# Altium PCB Spektrop2_Processor_Board_V1_draft_v4.PcbDoc (part 2 of 4) (continued)
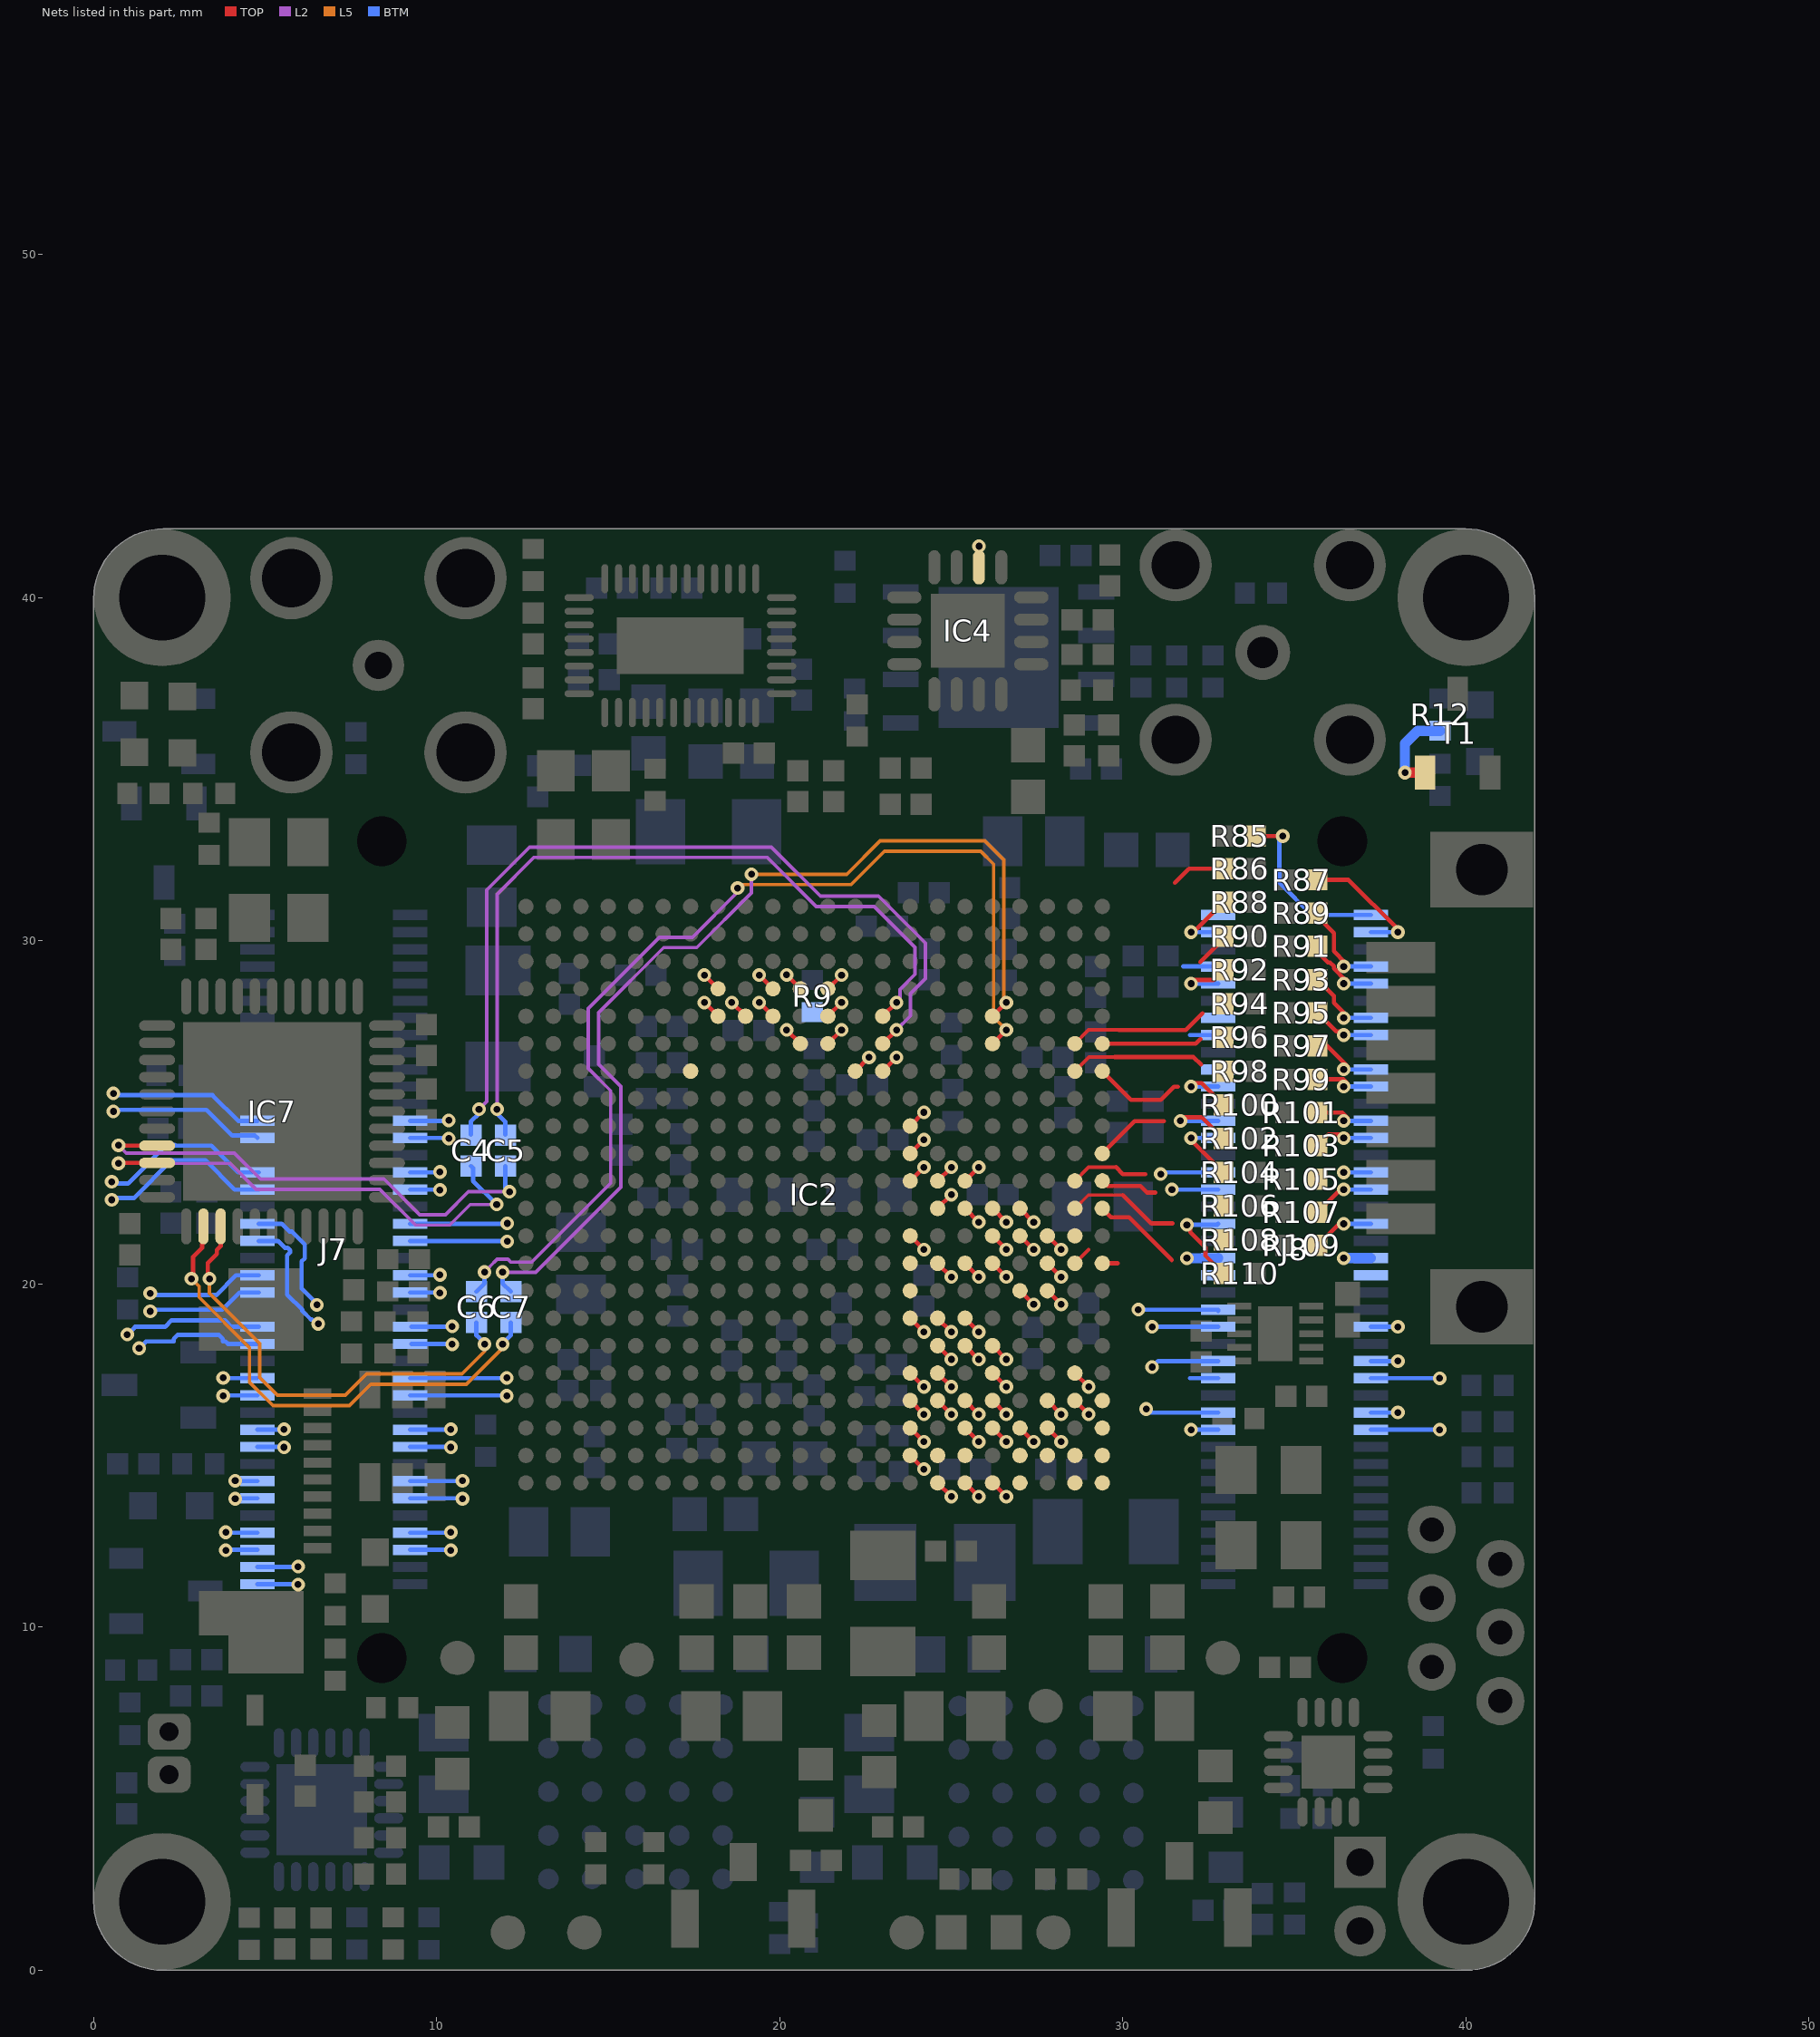
[diagram p8: the nets of this part, all layers, seen from the top]
## Part data (continued)
R85 R86 R87 R88 R89 R90 R91 R92 R93 R94 R95 R96 R97 R98 R99 R100 R101 R102 R103 R104 R105 R106 R107 R108 R109 R110: library part R0402_49R9_1%_0.0625W_100PPM, "Resistor - 1%", Case=0402, Manufacturer=GENERIC, Manufacturer1 ComponentHeight=0.4mm, Manufacturer1 Example="YAGEO PHYCOMP", Manufacturer1 Part Number="232270674999L or RC0402FR-0749R9L", Power=0.0625W, Tolerance=±1%, Author="CERN DEM JLC", Component Type=Standard, CreateDate=24-Oct-12, HelpURL=\\cern.ch\dfs\Applications\Altium\Datasheets\R0402_Phycomp_RC0402.pdf, LatestRevisionDate=24-Oct-12, Manufacturer Part Number=R0402_49R9_1%_0.0625W_100PPM, Mounted=Yes, Part Description="General Purpose Thick Film Chip Resistor", Part Number=R0402_49R9_1%_0.0625W_100PPM, Pin Count=2, PressFit=No, Sense=No, SMD=Yes, Socket=No, Status="Not Recommended", TC=±100ppm/°C
T1 T2 T4 T5: "N-CHANNEL MOSFET WITH DIODE", Case=SOT23-3, Manufacturer=NEXPERIA, Author="CERN DEM JLC", Bonding=No, ComponentHeight=1.1mm, Component Type=Standard, CreateDate=16.03.2010, Device=BSH103, HelpURL=\\cern.ch\dfs\Applications\Altium\Datasheets\BSH103.pdf, LatestRevisionDate=20.06.2017, Manufacturer Part Number=BSH103, Mounted=Yes, PackageDescription="SOT23, 3 pin, Pitch 0.95mm - 1.3mm W X 2.9mm L X 1.1mm H, IPC Medium Density", Part Description="30V 850mA N-Channel Enhancement Mode Field-Effect Transistor", Part Number=BSH103, Pin Count=3, PressFit=No, Sense=No, SMD=Yes, Socket=No
  T1: ClassName=Artix

## Free pads (board coordinates)
  round 4 hole 2.5: 1(2,2) 1(2,40) 1(40,2) 1(40,40)

## Via types
v1: diameter 0.4, hole 0.2, TOP to BTM, 627 vias

## Nets (pads, with @x,y where several pads share a name; then routed paths per layer and width w, separated by ;. In a path a pad name is that pad's centre, name@x,y a point inside that pad or via, vN(x,y) a via of type N, cw(c..) or ccw(c..) an arc to the next point about the centre after c; other vN are vias at no path point)
CFGBVS: IC2.T9 R9.2 | length 0.6
  TOP w0.125: IC2.T9@22.999,26.2 v1(23.399,26.6)
CLK_MGT0_C_N: C5.2 IC2.V9 | length 23.2
  TOP w0.125: IC2.V9@22.999,27.8 v1(23.399,28.2)
  L2 w0.1: v1(11.758,25.089) 11.758,31.356 12.831,32.429 19.629,32.429 21.06,30.998 22.751,30.998 23.942,29.808 23.942,29.021 23.504,28.583 23.504,28.304 v1(23.399,28.2)
  BTM w0.125: v1(11.758,25.089) 11.758,24.963 11.997,24.724 C5.2@11.997,24.351
CLK_MGT0_C_P: C4.2 IC2.U9 | length 25.2
  TOP w0.125: IC2.U9@22.999,27 v1(23.399,27.4)
  L2 w0.1: v1(11.233,25.089) 11.458,25.314 11.458,31.48 12.706,32.729 19.754,32.729 21.184,31.298 22.875,31.298 24.242,29.932 24.242,28.896 23.804,28.458 23.804,27.804 v1(23.399,27.4)
  BTM w0.125: C4.2@10.993,24.351 10.993,24.724 11.233,24.963 v1(11.233,25.089)
CLK_MGT0_N: C5.1 IC7.19 | length 14.4
  TOP w0.125: v1(0.725,24.037) 0.738,24.025 IC7.19@1.85,24.025
  L2 w0.1: v1(0.725,24.037) 0.95,23.812 4.102,23.812 4.86,23.055 8.466,23.055 9.504,22.016 10.255,22.016 10.923,22.685 11.589,22.685 11.593,22.688 11.903,22.688 11.907,22.685 v1(12.119,22.685)
  BTM w0.125: C5.1@12,23.436 12,22.804 v1(12.119,22.685)
CLK_MGT0_P: C4.1 IC7.20 | length 14.6
  TOP w0.125: v1(0.725,23.512) 0.738,23.525 IC7.20@1.85,23.525
  L2 w0.1: v1(0.725,23.512) 3.978,23.513 4.735,22.755 8.341,22.755 9.38,21.716 10.379,21.716 10.976,22.313 v1(11.748,22.313)
  BTM w0.125: C4.1@10.995,23.436 11.058,23.373 11.058,23.003 v1(11.748,22.313)
CLK_MGT1_C_N: C7.2 IC2.V5 | length 29.7
  TOP w0.125: IC2.V5@26.199,27.8 v1(26.599,28.2)
  L2 w0.1: v1@11.918,20.335 12.887,20.335 15.37,22.818 15.37,25.751 14.718,26.403 14.718,27.901 16.616,29.799 17.577,29.799 19.174,31.396 v1(19.174,31.935)
  L5 w0.1: v1(19.174,31.935) 21.952,31.935 22.925,32.907 25.975,32.907 26.529,32.354 26.529,28.27 v1(26.599,28.2)
  BTM w0.125: v1(11.918,20.345) 11.918,20.015 C7.2@12.158,19.776
CLK_MGT1_C_P: C6.2 IC2.U5 | length 30.3
  TOP w0.125: IC2.U5@26.199,27 v1(26.599,27.4)
  L2 w0.1: v1(11.393,20.345) 11.543,20.495 11.543,20.5 11.763,20.72 12.073,20.72 12.158,20.635 12.763,20.635 15.07,22.942 15.07,25.627 14.418,26.279 14.418,28.025 16.492,30.099 17.453,30.099 18.769,31.415 v1(18.769,31.535)
  L5 w0.1: v1(18.769,31.535) 18.869,31.635 22.077,31.635 23.049,32.607 25.851,32.607 26.229,32.23 26.229,27.77 v1(26.599,27.4)
  BTM w0.125: C6.2@11.153,19.776 11.393,20.015 v1(11.393,20.345)
CLK_MGT1_N: C7.1 IC7.24 | length 14.6
  TOP w0.125: v1(2.85,20.15) 2.9,20.2 2.9,20.787 3.163,21.05 3.163,21.163 3.2,21.2 IC7.24@3.2,21.675
  L5 w0.1: v1(2.85,20.15) 3.075,19.925 3.075,19.606 4.539,18.142 4.539,17.143 5.228,16.454 7.456,16.454 8.079,17.077 10.862,17.077 11.918,18.132 v1(11.918,18.241)
  BTM w0.125: v1(11.918,18.241) 11.918,18.263 12.158,18.503 C7.1@12.158,18.876
CLK_MGT1_P: C6.1 IC7.25 | length 13.4
  TOP w0.125: v1(3.375,20.15) 3.325,20.2 3.325,20.611 3.588,20.874 3.588,20.987 3.7,21.099 IC7.25@3.7,21.675
  L5 w0.1: v1(3.375,20.15) 3.375,19.73 4.839,18.266 4.839,17.268 5.353,16.754 7.332,16.754 7.955,17.377 10.738,17.377 11.393,18.032 v1(11.393,18.241)
  BTM w0.125: C6.1@11.153,18.876 11.153,18.503 11.393,18.263 v1(11.393,18.241)
COAXPRESS_UPLINK: IC2.H8 IC4.14 | length 0.6
  TOP w0.125: IC4.14@25.804,40.881 v1(25.804,41.496)
DONE: IC2.T10 R12.1 T1.1 | length 3.2
  TOP w0.125: IC2.T10@22.199,26.2 v1(22.599,26.6)
  TOP w0.3: v1(38.219,34.897) T1.1@38.803,34.897
  BTM w0.3: v1(38.219,34.897) 38.219,35.744 38.592,36.117 R12.1@39.242,36.117
FPGA_BANK13_IO0: IC2.T16 J8.48 | length 2.4
  BTM w0.125: v1(30.45,19.25) J8.48@32.775,19.25 J8.48@32.775,19.209
FPGA_BANK13_IO1: IC2.V13 J8.49 | length 1.4
  TOP w0.125: v1(19.399,28.2) IC2.V13@19.799,27.8
  BTM w0.125: J8.49@37.225,18.75 v1@38.053,18.75
  other v1: 38.015,18.75
FPGA_BANK13_IO2: IC2.V14 J8.50 | length 2.5
  TOP w0.125: v1(18.599,28.2) IC2.V14@18.999,27.8
  BTM w0.125: v1(30.85,18.75) J8.50@32.775,18.75
FPGA_BANK13_IO3: IC2.V15 J8.53 | length 1.4
  TOP w0.125: v1(17.799,28.2) IC2.V15@18.199,27.8
  BTM w0.125: J8.53@37.225,17.75 v1@38.053,17.75
  other v1: 38.015,17.75
FPGA_BANK13_IO4: IC2.W15 J8.54 | length 2.6
  TOP w0.125: v1(17.799,29) IC2.W15@18.199,28.6
  BTM w0.125: v1(30.85,17.575) 31.025,17.75 J8.54@32.775,17.75
FPGA_BANK13_IO5: IC2.W12 J8.55 | length 2.6
  TOP w0.125: v1(20.199,29.004) IC2.W12@20.599,28.604
  BTM w0.125: J8.55@37.225,17.25 v1(39.232,17.25)
FPGA_BANK13_IO6: IC2.W13 J8.56 | length 1.4
  TOP w0.125: v1(19.399,29) IC2.W13@19.799,28.6
  BTM w0.125: 31.947,17.25 J8.56@32.775,17.25
FPGA_BANK13_IO7: IC2.V11 J8.59 | length 1.4
  TOP w0.125: IC2.V11@21.399,27.8 v1(21.799,28.2)
  BTM w0.125: J8.59@37.225,16.25 v1@38.053,16.25
  other v1: 38.015,16.25
FPGA_BANK13_IO8: IC2.W11 J8.60 | length 2.8
  TOP w0.125: IC2.W11@21.399,28.6 v1(21.799,29)
  BTM w0.125: v1@30.578,16.25 J8.60@32.775,16.25
  other v1: 30.678,16.353
FPGA_BANK13_IO9: IC2.U11 J8.61 | length 2.6
  TOP w0.125: IC2.U11@21.399,27 v1(21.799,27.4)
  BTM w0.125: J8.61@37.225,15.75 v1(39.232,15.75)
FPGA_BANK13_IO10: IC2.U12 J8.62 | length 1.4
  TOP w0.125: v1(20.199,27.4) IC2.U12@20.599,27
  BTM w0.125: v1@31.947,15.75 J8.62@32.775,15.75
  other v1: 31.985,15.75
FPGA_BANK34_DIFF1_N: IC2.E7 J7.27 | length 1.7
  TOP w0.125: IC2.E7@24.599,17.4 v1(24.999,17)
  BTM w0.125: J7.27@9.225,24.25 10.337,24.25 v1(10.349,24.238)
FPGA_BANK34_DIFF1_P: IC2.F7 J7.25 | length 1.7
  TOP w0.125: IC2.F7@24.599,18.2 v1(24.999,17.8)
  BTM w0.125: J7.25@9.225,24.75 10.337,24.75 v1(10.349,24.763)
FPGA_BANK34_DIFF2_N: IC2.D6 J7.28 | length 5.1
  TOP w0.125: IC2.D6@25.399,16.6 v1(25.799,16.2)
  BTM w0.125: v1(0.575,25.025) 0.625,25.075 3.286,25.075 4.036,24.325 4.7,24.325 J7.28@4.775,24.25
FPGA_BANK34_DIFF2_P: IC2.D7 J7.26 | length 5.1
  TOP w0.125: IC2.D7@24.599,16.6 v1(24.999,16.2)
  BTM w0.125: v1(0.575,25.55) 0.625,25.5 3.463,25.5 4.213,24.75 J7.26@4.775,24.75
FPGA_BANK34_DIFF3_N: IC2.D8 J7.33 | length 1.4
  TOP w0.125: IC2.D8@23.799,16.6 v1(24.199,16.2)
  BTM w0.125: J7.33@9.225,22.75 10.082,22.75 v1(10.094,22.738)
FPGA_BANK34_DIFF3_P: IC2.E8 J7.31 | length 1.4
  TOP w0.125: IC2.E8@23.799,17.4 v1(24.199,17)
  BTM w0.125: J7.31@9.225,23.25 10.082,23.25 v1(10.094,23.263)
FPGA_BANK34_DIFF4_N: IC2.G7 J7.34 | length 5.7
  TOP w0.125: IC2.G7@24.599,19 v1(24.999,18.6)
  BTM w0.125: v1(0.525,22.45) 0.575,22.5 1.173,22.5 2.275,23.602 3.258,23.602 4.11,22.75 J7.34@4.814,22.75
FPGA_BANK34_DIFF4_P: IC2.G8 J7.32 | length 5.7
  TOP w0.125: IC2.G8@23.799,19 v1(24.199,18.6)
  BTM w0.125: v1(0.525,22.975) 0.575,22.925 0.996,22.925 2.099,24.027 2.263,24.027 2.285,24.05 2.365,24.05 2.387,24.027 3.434,24.027 4.211,23.25 J7.32@4.814,23.25
FPGA_BANK34_DIFF5_N: IC2.E5 J7.39 | length 3.4
  TOP w0.125: IC2.E5@26.199,17.4 v1(26.599,17)
  BTM w0.125: J7.39@9.225,21.25 12.04,21.25 v1(12.052,21.238)
FPGA_BANK34_DIFF5_P: IC2.F5 J7.37 | length 3.4
  TOP w0.125: IC2.F5@26.199,18.2 v1(26.599,17.8)
  BTM w0.125: J7.37@9.225,21.75 12.04,21.75 v1(12.052,21.763)
FPGA_BANK34_DIFF6_N: IC2.F6 J7.40 | length 4.2
  TOP w0.125: IC2.F6@25.399,18.2 v1(25.799,17.8)
  BTM w0.125: J7.40@4.814,21.25 5.377,21.25 5.577,21.05 5.65,21.05 5.725,20.975 5.725,20.919 5.637,20.832 5.637,19.686 6.083,19.241 6.083,19.211 6.332,18.962 6.362,18.962 6.449,18.875 6.487,18.837 v1(6.545,18.837)
FPGA_BANK34_DIFF6_P: IC2.G6 J7.38 | length 4.2
  TOP w0.125: IC2.G6@25.399,19 v1(25.799,18.6)
  BTM w0.125: J7.38@4.814,21.75 5.478,21.75 5.701,21.526 5.775,21.526 6.15,21.151 6.15,20.743 6.062,20.656 6.062,19.863 6.525,19.4 6.512,19.387 v1(6.508,19.387)
FPGA_BANK34_DIFF7_N: IC2.B8 J7.45 | length 1.4
  TOP w0.125: IC2.B8@23.799,15 v1(24.199,14.6)
  BTM w0.125: J7.45@9.225,19.75 10.082,19.75 v1(10.094,19.738)
FPGA_BANK34_DIFF7_P: IC2.C8 J7.43 | length 1.4
  TOP w0.125: IC2.C8@23.799,15.8 v1(24.199,15.4)
  BTM w0.125: J7.43@9.225,20.25 10.082,20.25 v1(10.094,20.263)
FPGA_BANK34_DIFF8_N: IC2.B6 J7.46 | length 3.4
  TOP w0.125: v1(1.65,19.2) v1@1.65,19.25
  BTM w0.125: v1(1.65,19.2) 1.7,19.25 3.752,19.25 4.252,19.75 J7.46@4.814,19.75
FPGA_BANK34_DIFF8_P: IC2.B7 J7.44 | length 3.4
  BTM w0.125: v1(1.65,19.725) 1.7,19.675 3.576,19.675 4.151,20.25 J7.44@4.814,20.25
FPGA_BANK34_DIFF9_N: IC2.A6 J7.51 | length 1.8
  TOP w0.125: IC2.A6@25.399,14.2 v1(25.799,13.8)
  BTM w0.125: J7.51@9.264,18.25 10.438,18.25 v1(10.45,18.237)
FPGA_BANK34_DIFF9_P: IC2.A7 J7.49 | length 1.8
  TOP w0.125: IC2.A7@24.599,14.2 v1(24.999,13.8)
  BTM w0.125: J7.49@9.264,18.75 10.438,18.75 v1(10.45,18.762)
FPGA_BANK34_DIFF10_N: IC2.A4 J7.52 | length 3.8
  BTM w0.125: v1(1.325,18.125) 1.525,18.325 2.337,18.325 2.337,18.403 2.447,18.513 3.653,18.513 3.763,18.403 3.763,18.325 3.84,18.325 3.915,18.25 J7.52@4.814,18.25
FPGA_BANK34_DIFF10_P: IC2.A5 J7.50 | length 4.6
  TOP w0.125: IC2.A5@26.199,14.2 v1(26.599,13.8)
  BTM w0.125: v1(0.981,18.523) 1.208,18.75 2.084,18.75 2.271,18.938 3.829,18.938 4.016,18.75 J7.50@4.814,18.75
FPGA_BANK34_DIFF11_N: IC2.C5 J7.57 | length 3.4
  TOP w0.125: IC2.C5@26.199,15.8 v1(26.599,15.4)
  BTM w0.125: J7.57@9.225,16.75 12.03,16.75 v1(12.042,16.738)
FPGA_BANK34_DIFF11_P: IC2.C6 J7.55 | length 3.4
  TOP w0.125: IC2.C6@25.399,15.8 v1(25.799,15.4)
  BTM w0.125: J7.55@9.225,17.25 12.03,17.25 v1(12.042,17.263)
FPGA_BANK34_DIFF12_N: IC2.C4 J7.58 | length 1.6
  TOP w0.125: IC2.C4@26.999,15.8 v1(27.399,15.4)
  BTM w0.125: v1(3.775,16.738) 3.787,16.75 J7.58@4.775,16.75
FPGA_BANK34_DIFF12_P: IC2.D5 J7.56 | length 1.6
  TOP w0.125: IC2.D5@26.199,16.6 v1(26.599,16.2)
  BTM w0.125: v1(3.775,17.263) 3.787,17.25 J7.56@4.775,17.25
FPGA_BANK34_DIFF13_N: IC2.B3 J7.63 | length 1.2
  BTM w0.125: J7.63@9.225,15.25 10.398,15.25 v1(10.411,15.237)
FPGA_BANK34_DIFF13_P: IC2.B4 J7.61 | length 1.2
  BTM w0.125: J7.61@9.225,15.75 10.398,15.75 v1(10.411,15.762)
FPGA_BANK34_DIFF14_N: IC2.C3 J7.64 | length 1.3
  TOP w0.125: IC2.C3@27.799,15.8 v1(28.199,15.4)
  BTM w0.125: J7.64@4.775,15.25 5.538,15.25 v1(5.55,15.238)
FPGA_BANK34_DIFF14_P: IC2.D3 J7.62 | length 1.3
  TOP w0.125: IC2.D3@27.799,16.6 v1(28.199,16.2)
  BTM w0.125: J7.62@4.775,15.75 5.538,15.75 v1(5.55,15.763)
FPGA_BANK34_DIFF15_N: IC2.A1 J7.69 | length 1.5
  BTM w0.125: J7.69@9.225,13.75 10.737,13.75 v1(10.75,13.737)
FPGA_BANK34_DIFF15_P: IC2.A2 J7.67 | length 1.5
  BTM w0.125: J7.67@9.225,14.25 10.738,14.25 v1(10.75,14.262)
FPGA_BANK34_DIFF16_N: IC2.C1 J7.70 | length 0.7
  TOP w0.125: v1(4.125,13.737) v1@4.125,13.787
  BTM w0.125: v1(4.125,13.737) 4.138,13.75 J7.70@4.775,13.75
FPGA_BANK34_DIFF16_P: IC2.D1 J7.68 | length 0.7
  BTM w0.125: v1(4.125,14.262) 4.137,14.25 J7.68@4.775,14.25
FPGA_BANK34_DIFF17_N: IC2.D2 J7.75 | length 1.8
  TOP w0.125: IC2.D2@28.599,16.6 v1(28.999,16.2)
  BTM w0.125: J7.75@9.225,12.25 10.398,12.25 v1(10.411,12.237)
FPGA_BANK34_DIFF17_P: IC2.E2 J7.73 | length 1.8
  TOP w0.125: IC2.E2@28.599,17.4 v1(28.999,17)
  BTM w0.125: J7.73@9.225,12.75 10.398,12.75 v1(10.411,12.762)
FPGA_BANK34_DIFF18_N: IC2.B1 J7.76 | length 0.9
  BTM w0.125: v1(3.85,12.237) 3.863,12.25 J7.76@4.775,12.25
FPGA_BANK34_DIFF18_P: IC2.B2 J7.74 | length 0.9
  BTM w0.125: v1(3.85,12.762) 3.862,12.75 J7.74@4.775,12.75
FPGA_BANK34_DIFF19_N: IC2.H3 J7.80 | length 1.8
  TOP w0.125: IC2.H3@27.799,19.8 v1(28.199,19.4)
  BTM w0.125: J7.80@4.775,11.25 5.948,11.25 v1(5.961,11.237)
FPGA_BANK34_DIFF19_P: IC2.H4 J7.78 | length 1.8
  TOP w0.125: IC2.H4@26.999,19.8 v1(27.399,19.4)
  BTM w0.125: J7.78@4.775,11.75 5.948,11.75 v1(5.961,11.762)
FPGA_BANK35_HSTL_IN_IO0: IC2.L7 J8.1 R85.1 | length 5.7
  TOP w0.125: IC2.L7@24.599,22.2 v1(24.999,22.6) ; R85.1@33.87,33.05 v1(34.66,33.05) v1@34.698,33.05
  BTM w0.125: v1@34.56,32.947 34.56,31.687 35.497,30.75 J8.1@37.225,30.75
FPGA_BANK35_HSTL_IN_IO1: IC2.L6 J8.2 R86.1 | length 2.2
  TOP w0.125: IC2.L6@25.399,22.2 v1(25.799,21.8) ; 31.515,31.69 31.925,32.1 R86.1@32.93,32.1
FPGA_BANK35_HSTL_IN_IO2: IC2.M6 J8.3 R87.1 | length 4.3
  TOP w0.125: IC2.M6@25.399,23 v1(25.799,23.4) ; R87.1@35.67,31.775 36.575,31.775 v1@37.997,30.353
  BTM w0.125: J8.3@37.225,30.25 v1(38.015,30.25) v1@38.053,30.25
FPGA_BANK35_HSTL_IN_IO3: IC2.N8 J8.4 R88.1 | length 2.5
  TOP w0.125: IC2.N8@23.799,23.8 v1(24.199,24.2) ; 32.167,30.353 R88.1@32.93,31.117
  BTM w0.125: v1@31.947,30.25 v1(31.985,30.25) J8.4@32.775,30.25
FPGA_BANK35_HSTL_IN_IO4: IC2.P8 J8.7 R89.1 | length 3.4
  TOP w0.125: IC2.P8@23.799,24.6 v1(24.199,25) ; R89.1@35.67,30.806 35.566,30.806 36.148,30.225 36.148,29.693 36.487,29.353 v1@36.535,29.353
  BTM w0.125: v1@36.397,29.25 v1(36.435,29.25) J8.7@37.225,29.25
FPGA_BANK35_HSTL_IN_IO5: IC2.M8 J8.8 R90.1 | length 2.5
  TOP w0.125: IC2.M8@23.799,23 v1(24.199,23.4) ; 32.255,29.375 R90.1@32.93,30.05
  BTM w0.125: 31.75,29.25 J8.8@32.775,29.25
FPGA_BANK35_HSTL_IN_IO6: IC2.M7 J8.9 R91.1 | length 2.8
  TOP w0.125: IC2.M7@24.599,23 v1(24.999,23.4) ; R91.1@35.67,29.838 35.67,29.67 35.974,29.366 36.038,29.366 36.148,29.256 36.148,29.193 36.487,28.853 v1@36.535,28.853
  BTM w0.125: v1(36.435,28.75) J8.9@37.225,28.75
FPGA_BANK35_HSTL_IN_IO7: IC2.J5 J8.10 R92.1 | length 2.4
  TOP w0.125: IC2.J5@26.199,20.6 v1(26.599,20.2) ; v1@32.085,28.853 32.633,28.853 R92.1@32.93,29.15
  BTM w0.125: v1@31.947,28.75 v1(31.985,28.75) J8.10@32.775,28.75
FPGA_BANK35_HSTL_IN_IO8: IC2.K5 J8.13 R93.1 | length 2.7
  TOP w0.125: IC2.K5@26.199,21.4 v1(26.599,21) ; R93.1@35.67,28.869 36.148,28.391 36.148,28.193 v1@36.487,27.853
  BTM w0.125: v1@36.397,27.75 v1(36.435,27.75) J8.13@37.225,27.75
FPGA_BANK35_HSTL_IN_IO9: IC2.J2 J8.14 R94.1 | length 0.6
  TOP w0.1: IC2.J2@28.599,20.6 28.999,21
FPGA_BANK35_HSTL_IN_IO10: IC2.J1 J8.15 R95.1 | length 2.3
  TOP w0.125: IC2.J1@29.399,20.6 29.849,20.6 ; R95.1@35.67,27.9 36.217,27.353 v1@36.535,27.353
  BTM w0.125: v1(36.435,27.25) J8.15@37.225,27.25
FPGA_BANK35_HSTL_IN_IO11: IC2.J3 J8.16 R96.1 | length 1.6
  TOP w0.125: IC2.J3@27.799,20.6 v1(28.199,20.2) ; R96.1@32.76,27.353 R96.1@32.93,27.183
  BTM w0.125: 31.947,27.25 31.985,27.25 J8.16@32.775,27.25
FPGA_BANK35_HSTL_IN_IO12: IC2.K2 J8.19 R97.1 | length 1.9
  TOP w0.125: R97.1@35.67,26.931 35.957,26.931 v1@36.535,26.353
  BTM w0.125: v1(36.435,26.25) J8.19@37.225,26.25
FPGA_BANK35_HSTL_IN_IO13: IC2.L2 J8.20 R98.1 | length 3.4
  TOP w0.1: IC2.L2@28.599,22.2 28.99,22.59 29.997,22.59
  TOP w0.125: 29.997,22.59 30.826,21.762 31.451,21.762
FPGA_BANK35_HSTL_IN_IO14: IC2.L1 J8.21 R99.1 | length 4.4
  TOP w0.125: IC2.L1@29.399,22.2 29.657,21.941 30.175,21.941 31.423,20.693 ; R99.1@35.67,25.963 36.426,25.963 v1@36.535,25.853
  BTM w0.125: v1@36.397,25.75 v1(36.435,25.75) J8.21@37.225,25.75
FPGA_BANK35_HSTL_IN_IO15: IC2.K4 J8.22 R100.1 | length 2.6
  TOP w0.125: IC2.K4@26.999,21.4 v1(27.399,21) ; v1@32.085,25.853 32.293,25.853 R100.1@32.93,25.217
  BTM w0.125: v1@31.947,25.75 v1(31.985,25.75) J8.22@32.775,25.75
  BTM w0.3: v1@27.364,20.99 v1@27.399,20.955
FPGA_BANK35_HSTL_IN_IO16: IC2.K3 J8.25 R101.1 | length 2.3
  TOP w0.125: IC2.K3@27.799,21.4 v1(28.199,21) ; R101.1@35.67,24.994 36.395,24.994 v1@36.535,24.853
  BTM w0.125: v1(36.435,24.75) J8.25@37.225,24.75
FPGA_BANK35_HSTL_IN_IO17: IC2.L5 J8.26 R102.1 | length 3.1
  TOP w0.125: IC2.L5@26.199,22.2 v1(26.599,21.8) ; v1@31.74,24.853 32.31,24.853 R102.1@32.93,24.233
  BTM w0.125: v1(31.678,24.75) J8.26@32.775,24.75
FPGA_BANK35_HSTL_IN_IO18: IC2.L4 J8.27 R103.1 | length 2.4
  TOP w0.125: IC2.L4@26.999,22.2 v1(27.399,21.8) ; R103.1@35.67,24.025 35.998,24.353 v1@36.535,24.353
  BTM w0.125: v1@36.397,24.25 v1(36.435,24.25) J8.27@37.225,24.25
FPGA_BANK35_HSTL_IN_IO19: IC2.T2 J8.28 R104.1 | length 6.2
  TOP w0.1: IC2.T2@28.599,26.2 29.008,26.609 29.767,26.609
  TOP w0.125: 29.767,26.609 32.057,26.609 32.275,26.391 ; v1@32.085,24.353 32.085,24.095 R104.1@32.93,23.25
  BTM w0.125: v1@31.947,24.25 v1(31.985,24.25) J8.28@32.775,24.25
FPGA_BANK35_HSTL_IN_IO20: IC2.T1 J8.31 R105.1 | length 3.5
  TOP w0.125: IC2.T1@29.399,26.2 30.235,25.364 31.106,25.364 31.484,25.743 31.598,25.743
  BTM w0.125: v1(36.435,23.25) J8.31@37.225,23.25
FPGA_BANK35_HSTL_IN_IO21: IC2.U2 J8.32 R106.1 | length 5.8
  TOP w0.1: IC2.U2@28.599,27 28.999,27.4 29.88,27.4
  TOP w0.125: 29.88,27.4 31.83,27.4 32.318,27.888
  BTM w0.125: v1(31.1,23.2) 31.15,23.25 J8.32@32.775,23.25
FPGA_BANK35_HSTL_IN_IO22: IC2.U1 J8.33 R107.1 | length 4.9
  TOP w0.125: IC2.U1@29.399,27 32.125,27 32.258,27.133 ; R107.1@35.67,22.088 36.436,22.853 v1@36.535,22.853
  BTM w0.125: v1@36.397,22.75 v1(36.435,22.75) J8.33@37.225,22.75
FPGA_BANK35_HSTL_IN_IO23: IC2.M2 J8.34 R108.1 | length 3.7
  TOP w0.1: IC2.M2@28.599,23 29.001,23.401 29.799,23.401
  TOP w0.125: 29.799,23.401 30.002,23.198 30.657,23.198
  BTM w0.125: v1(31.428,22.75) J8.34@32.775,22.75
FPGA_BANK35_HSTL_IN_IO24: IC2.M1 J8.37 R109.1 | length 3.5
  TOP w0.125: IC2.M1@29.399,23 29.55,22.849 30.51,22.849 30.696,22.663 30.938,22.663 ; R109.1@35.67,21.119 v1@36.405,21.853
  BTM w0.125: v1@36.397,21.75 v1(36.435,21.75) J8.37@37.225,21.75
FPGA_BANK35_HSTL_IN_IO25: IC2.N1 J8.38 R110.1 | length 5.1
  TOP w0.125: IC2.N1@29.399,23.8 30.342,24.743 31.197,24.743 ; v1@31.965,21.825 31.965,21.51 32.405,21.07 32.405,20.825 R110.1@32.93,20.3
  BTM w0.125: v1(31.865,21.722) v1@31.918,21.722 ; v1@31.947,21.75 v1@31.918,21.722 ; J8.38@32.775,21.75 32.747,21.722 v1@31.918,21.722
FPGA_BANK35_HSTL_IO0: IC2.J8 J8.41 | length 0.8
  BTM w0.3: v1(36.435,20.75) J8.41@37.225,20.75
FPGA_BANK35_HSTL_IO1: IC2.K8 J8.42 | length 1.5
  TOP w0.125: IC2.K8@23.799,21.4 v1(24.199,21)
  BTM w0.3: v1(31.865,20.747) 32.772,20.747 J8.42@32.775,20.75
FPGA_BANK35_HSTL_IO2: IC2.J7 J8.43 | length 0.6
  TOP w0.125: IC2.J7@24.599,20.6 v1(24.999,20.2)
FPGA_BANK35_HSTL_IO3: IC2.J6 J8.44 | length 0.6
  TOP w0.125: IC2.J6@25.399,20.6 v1(25.799,20.2)